# EAGLE board Mk4 Final a Panel score (EAGLE 9.0.1), part 3 of 24 (continued)
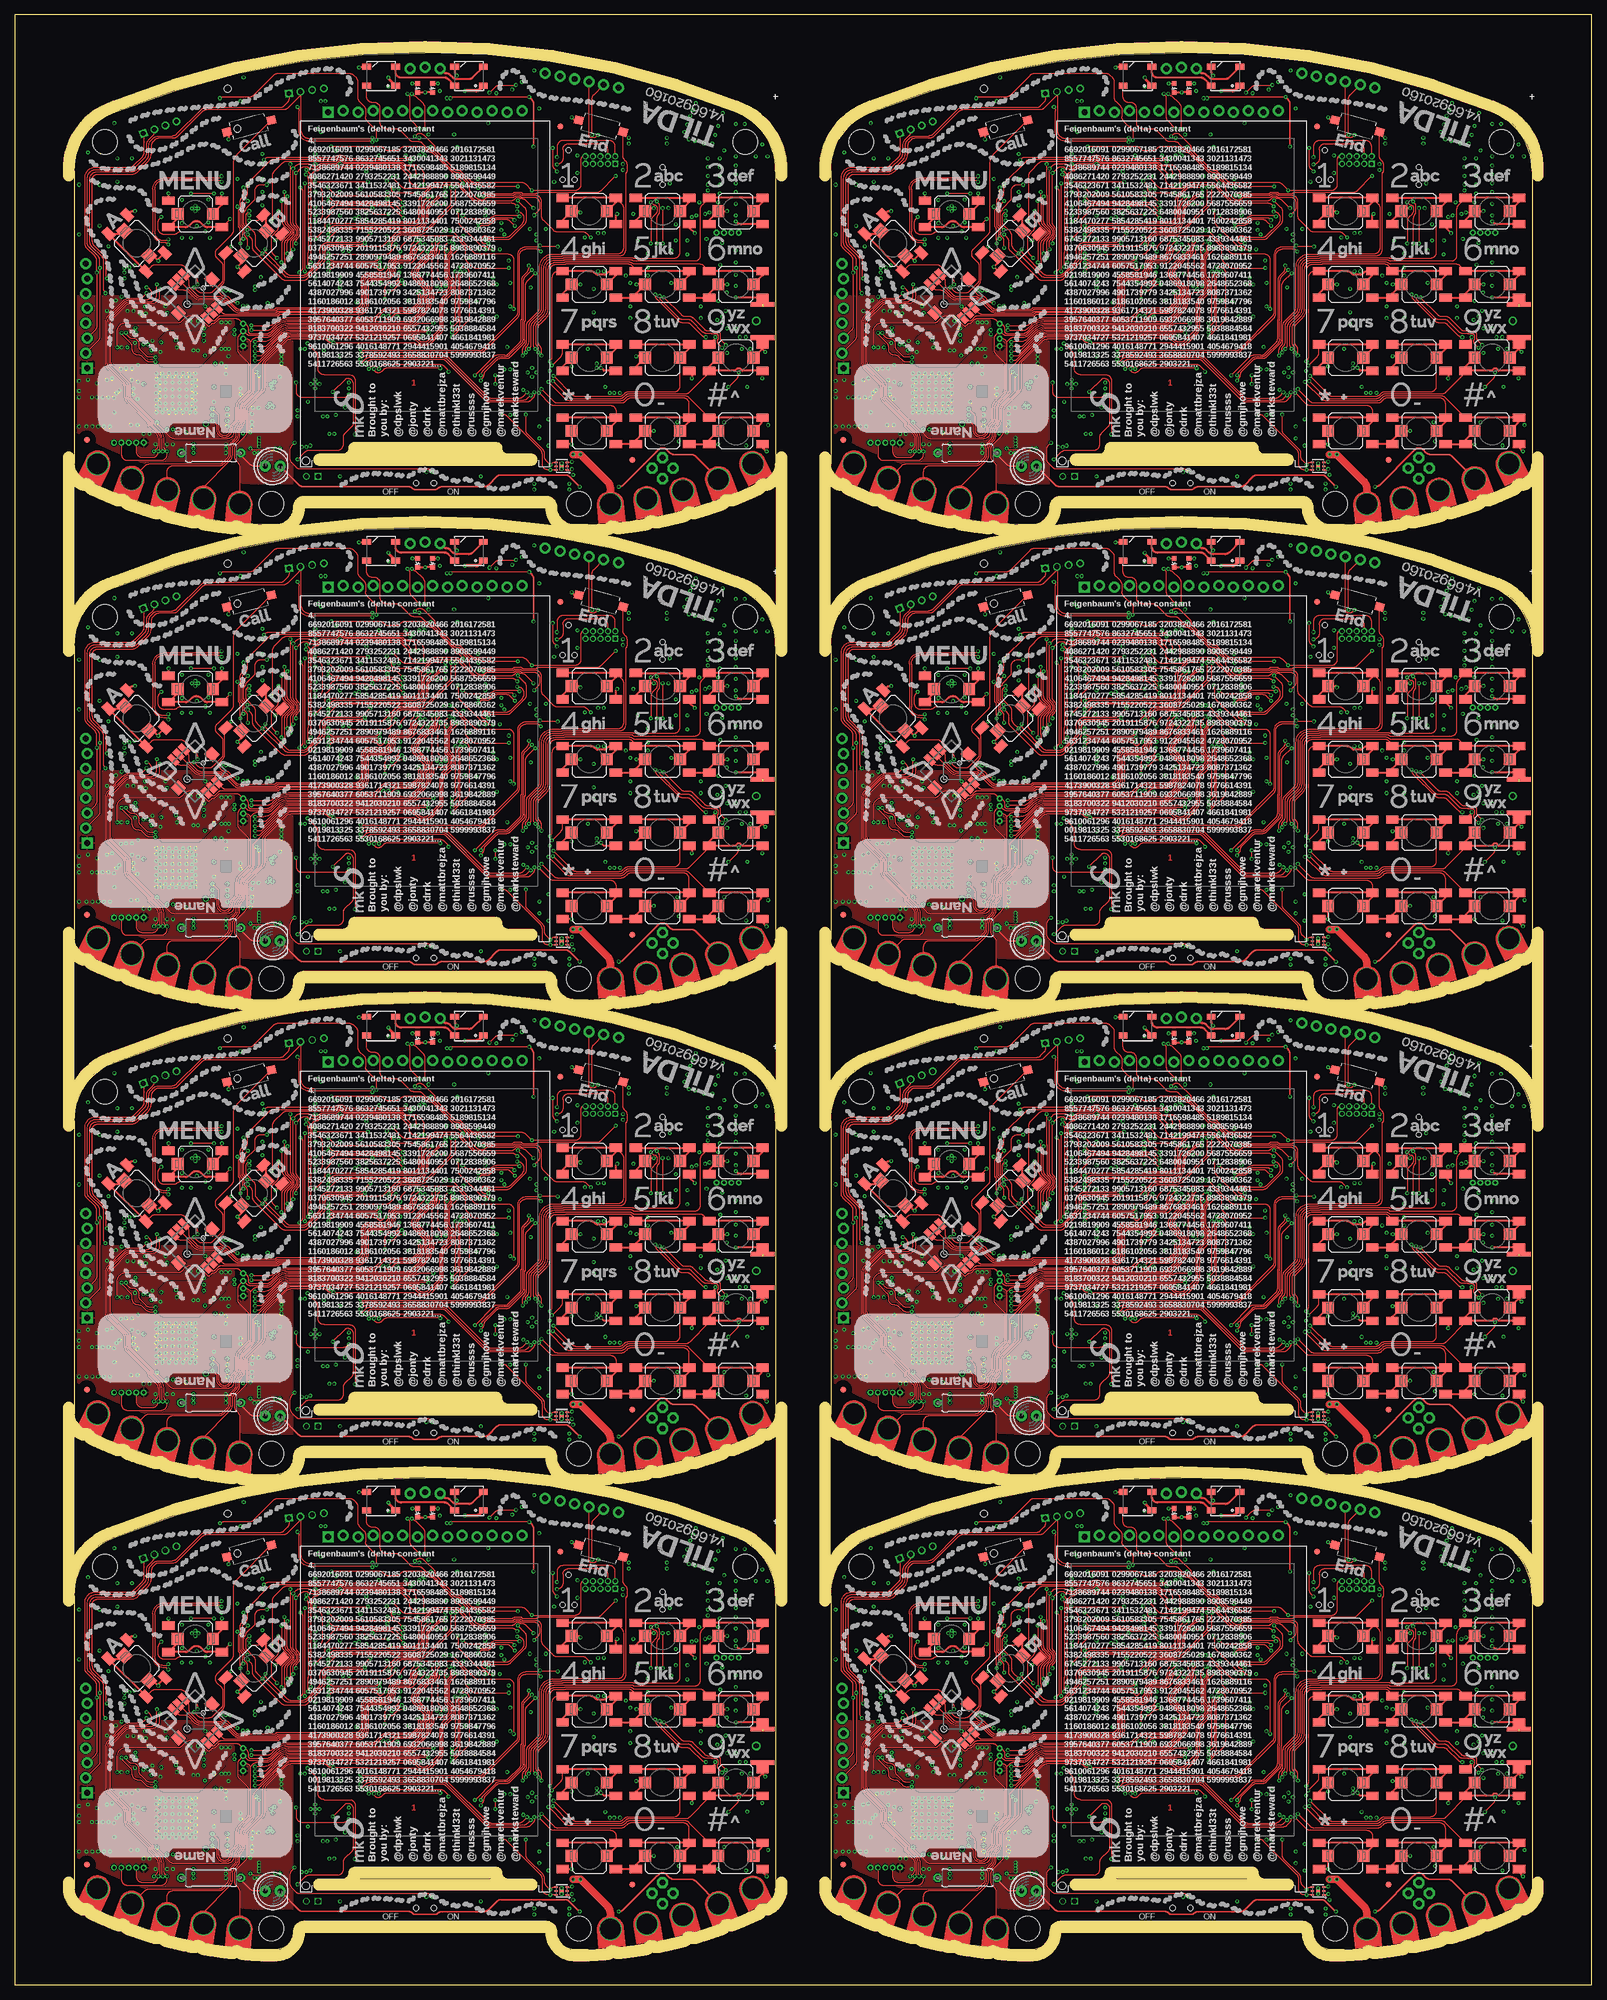
[diagram p0: board, top side]
## Placement (x,y rotation side) (continued)
R350  0402/1K/5%  [R0402-SMALLER]  100,207.25 180 bottom
R351  0402/1K/5%  [R0402-SMALLER]  100,206.25 180 bottom
R352  0402/1K/5%  [R0402-SMALLER]  100,205.25 180 bottom
R353  0402/1K/5%  [R0402-SMALLER]  100,201.25 180 bottom
R354  0402/1K/5%  [R0402-SMALLER]  100,203.25 180 bottom
R355  0402/5K6/5%  [R0402-SMALLER]  100,204.25 0 bottom
R356  0402/5K6/5%  [R0402-SMALLER]  100,208.25 0 bottom
R357  0402/1K/5%  [R0402-SMALLER]  100,200.25 180 bottom
R358  0402/1K/5%  [R0402-SMALLER]  100,199.25 180 bottom
R359  0402/10K/5%  [R0402-SMALLER]  90.75,215 90 bottom
R360  0402/10K/5%  [R0402-SMALLER]  91.75,215 90 bottom
R361  0402/10K/5%  [R0402-SMALLER]  92.25,217.5 180 bottom
R362  0402/22K/5%  [R0402-SMALLER]  90.25,217.5 0 bottom
R363  0402/22K/5%  [R0402-SMALLER]  90.25,216.5 0 bottom
R364  0402/15K/5%  [R0402-SMALLER]  90.5,226.75 180 bottom
R365  0402/8K2/5%  [R0402-SMALLER]  88.5,226.75 0 bottom
R366  0402/10K/5%  [R0402-SMALLER]  95.5,222.5 270 bottom
R367  0402/10K/5%  [R0402-SMALLER]  97.75,217.75 180 bottom
R368  0402/10K/5%  [R0402-SMALLER]  104.25,227.5 180 bottom
R369  0402/150K/1%  [R0402-SMALLER]  31.95,227.45 0 bottom
R370  0402/150K/1%  [R0402-SMALLER]  31.95,226.45 0 bottom
R371  0402/10K/5%  [R0402-SMALLER]  114,181.75 90 bottom
R372  0402/732K/5%  [R0402-SMALLER]  38.95,182.35 270 bottom
R373  0402/162K/5%  [R0402-SMALLER]  39.95,182.35 90 bottom
R374  0402/10K/5%  [R0402-SMALLER]  22,184.75 270 bottom
R375  0402/100K/5%  [R0402-SMALLER]  19.25,203.2 90 bottom
R376  0402/100K/5%  [R0402-SMALLER]  20.25,203.2 90 bottom
R377  0402/100K/5%  [R0402-SMALLER]  23,184.75 270 bottom
R378  0402/10K/5%  [R0402-SMALLER]  18.5,208.25 90 bottom
R379  0402/100K/5%  [R0402-SMALLER]  21,205.25 180 bottom
R380  0402/100K/5%  [R0402-SMALLER]  35,187.75 180 bottom
R381  0402/100K/5%  [R0402-SMALLER]  35,185.75 180 bottom
R382  0402/100K/5%  [R0402-SMALLER]  36.75,194.5 90 bottom
R383  0402/100K/5%  [R0402-SMALLER]  28.5,184.25 270 bottom
R384  0402/100K/5%  [R0402-SMALLER]  24,183 270 bottom
R385  0402/100K/5%  [R0402-SMALLER]  19.25,197 90 bottom
R386  0402/10K/5%  [R0402-SMALLER]  84,195.75 90 bottom
R387  0402/150K/1%  [R0402-SMALLER]  31.95,228.4 0 bottom
R388  0402/150K/1%  [R0402-SMALLER]  32,225.5 0 bottom
R389  0402/10K/5%  [R0402-SMALLER]  28.75,224.5 0 bottom
R390  0402/0R/5%  [R0402-SMALLER]  31,229.5 180 bottom
R391  0402/12R/5%  [R0402-SMALLER]  211.5,207 270 bottom
R392  0402/12R/5%  [R0402-SMALLER]  210.5,207 270 bottom
R393  0402/12R/5%  [R0402-SMALLER]  209.5,207 270 bottom
R394  0402/12R/5%  [R0402-SMALLER]  208.5,207 270 bottom
R395  0402/2K/5%  [R0402-SMALLER]  200.27,242.5 270 bottom
R396  0402/2K/5%  [R0402-SMALLER]  197.73,242.5 270 bottom
R397  0402/1K/5%  [R0402-SMALLER]  183.5,235.5 270 bottom
R398  0402/1K/5%  [R0402-SMALLER]  184.5,235.5 270 bottom
R399  0402/4K87/5%  [R0402-SMALLER]  189.25,225.25 0 bottom
R400  0402/10K/5%  [R0402-SMALLER]  197.5,233.25 180 bottom
R401  0402/1M/5%  [R0402-SMALLER]  189.75,227.75 90 bottom
R402  0402/2K/5%  [R0402-SMALLER]  202.75,230.95 90 bottom
R403  0402/1M/5%  [R0402-SMALLER]  216.75,246 270 bottom
R404  0402/100R/5%  [R0402-SMALLER]  217.25,242.5 180 bottom
R405  0402/10K/5%  [R0402-SMALLER]  206.5,212.25 270 bottom
R406  0402/10K/5%  [R0402-SMALLER]  217,209.75 90 bottom
R407  [0309/10]  162.5,180.25 180 top
R408  0402/10K/5%  [R0402-SMALLER]  176.75,183.25 90 bottom
R409  0402/10K/5%  [R0402-SMALLER]  184.75,191.25 0 bottom
R410  0402/10K/5%  [R0402-SMALLER]  184.75,190.25 180 bottom
R411  0402/2K/5%  [R0402-SMALLER]  184.75,192.25 180 bottom
R412  0402/10K/5%  [R0402-SMALLER]  180.25,198.5 180 bottom
R413  0402/10K/5%  [R0402-SMALLER]  180.25,197.5 180 bottom
R414  0402/10K/5%  [R0402-SMALLER]  180.75,196 90 bottom
R415  0402/4K7/5%  [R0402-SMALLER]  185.05,216.25 90 bottom
R416  0402/4K7/5%  [R0402-SMALLER]  186.05,216.25 90 bottom
R417  0402/4K7/5%  [R0402-SMALLER]  211.25,217 180 bottom
R418  0402/4K7/5%  [R0402-SMALLER]  211.25,215.75 180 bottom
R419  0402/100K/5%  [R0402-SMALLER]  164,184.75 180 bottom
R420  0402/51R/5%  [R0402-SMALLER]  236.5,220.5 90 bottom
R421  0402/51R/5%  [R0402-SMALLER]  238.5,220.5 90 bottom
R422  0402/51R/5%  [R0402-SMALLER]  239.5,220.5 90 bottom
R423  0402/4K7/5%  [R0402-SMALLER]  245.5,198.75 180 bottom
R424  0402/100K/5%  [R0402-SMALLER]  227.5,197.5 90 bottom
R425  0402/1K/5%  [R0402-SMALLER]  229,209.25 180 bottom
R426  0402/5K6/5%  [R0402-SMALLER]  229,202.25 0 bottom
R427  0402/1K/5%  [R0402-SMALLER]  229,210.25 180 bottom
R428  0402/1K/5%  [R0402-SMALLER]  229,207.25 180 bottom
R429  0402/1K/5%  [R0402-SMALLER]  229,206.25 180 bottom
R430  0402/1K/5%  [R0402-SMALLER]  229,205.25 180 bottom
R431  0402/1K/5%  [R0402-SMALLER]  229,201.25 180 bottom
R432  0402/1K/5%  [R0402-SMALLER]  229,203.25 180 bottom
R433  0402/5K6/5%  [R0402-SMALLER]  229,204.25 0 bottom
R434  0402/5K6/5%  [R0402-SMALLER]  229,208.25 0 bottom
R435  0402/1K/5%  [R0402-SMALLER]  229,200.25 180 bottom
R436  0402/1K/5%  [R0402-SMALLER]  229,199.25 180 bottom
R437  0402/10K/5%  [R0402-SMALLER]  219.75,215 90 bottom
R438  0402/10K/5%  [R0402-SMALLER]  220.75,215 90 bottom
R439  0402/10K/5%  [R0402-SMALLER]  221.25,217.5 180 bottom
R440  0402/22K/5%  [R0402-SMALLER]  219.25,217.5 0 bottom
R441  0402/22K/5%  [R0402-SMALLER]  219.25,216.5 0 bottom
R442  0402/15K/5%  [R0402-SMALLER]  219.5,226.75 180 bottom
R443  0402/8K2/5%  [R0402-SMALLER]  217.5,226.75 0 bottom
R444  0402/10K/5%  [R0402-SMALLER]  224.5,222.5 270 bottom
R445  0402/10K/5%  [R0402-SMALLER]  226.75,217.75 180 bottom
R446  0402/10K/5%  [R0402-SMALLER]  233.25,227.5 180 bottom
R447  0402/150K/1%  [R0402-SMALLER]  160.95,227.45 0 bottom
R448  0402/150K/1%  [R0402-SMALLER]  160.95,226.45 0 bottom
R449  0402/10K/5%  [R0402-SMALLER]  243,181.75 90 bottom
R450  0402/732K/5%  [R0402-SMALLER]  167.95,182.35 270 bottom
R451  0402/162K/5%  [R0402-SMALLER]  168.95,182.35 90 bottom
R452  0402/10K/5%  [R0402-SMALLER]  151,184.75 270 bottom
R453  0402/100K/5%  [R0402-SMALLER]  148.25,203.2 90 bottom
R454  0402/100K/5%  [R0402-SMALLER]  149.25,203.2 90 bottom
R455  0402/100K/5%  [R0402-SMALLER]  152,184.75 270 bottom
R456  0402/10K/5%  [R0402-SMALLER]  147.5,208.25 90 bottom
R457  0402/100K/5%  [R0402-SMALLER]  150,205.25 180 bottom
R458  0402/100K/5%  [R0402-SMALLER]  164,187.75 180 bottom
R459  0402/100K/5%  [R0402-SMALLER]  164,185.75 180 bottom
R460  0402/100K/5%  [R0402-SMALLER]  165.75,194.5 90 bottom
R461  0402/100K/5%  [R0402-SMALLER]  157.5,184.25 270 bottom
R462  0402/100K/5%  [R0402-SMALLER]  153,183 270 bottom
R463  0402/100K/5%  [R0402-SMALLER]  148.25,197 90 bottom
R464  0402/10K/5%  [R0402-SMALLER]  213,195.75 90 bottom
R465  0402/150K/1%  [R0402-SMALLER]  160.95,228.4 0 bottom
R466  0402/150K/1%  [R0402-SMALLER]  161,225.5 0 bottom
R467  0402/10K/5%  [R0402-SMALLER]  157.75,224.5 0 bottom
R468  0402/0R/5%  [R0402-SMALLER]  160,229.5 180 bottom
R469  0402/12R/5%  [R0402-SMALLER]  82.5,288 270 bottom
R470  0402/12R/5%  [R0402-SMALLER]  81.5,288 270 bottom
R471  0402/12R/5%  [R0402-SMALLER]  80.5,288 270 bottom
R472  0402/12R/5%  [R0402-SMALLER]  79.5,288 270 bottom
R473  0402/2K/5%  [R0402-SMALLER]  71.27,323.5 270 bottom
R474  0402/2K/5%  [R0402-SMALLER]  68.73,323.5 270 bottom
R475  0402/1K/5%  [R0402-SMALLER]  54.5,316.5 270 bottom
R476  0402/1K/5%  [R0402-SMALLER]  55.5,316.5 270 bottom
R477  0402/4K87/5%  [R0402-SMALLER]  60.25,306.25 0 bottom
R478  0402/10K/5%  [R0402-SMALLER]  68.5,314.25 180 bottom
R479  0402/1M/5%  [R0402-SMALLER]  60.75,308.75 90 bottom
R480  0402/2K/5%  [R0402-SMALLER]  73.75,311.95 90 bottom
R481  0402/1M/5%  [R0402-SMALLER]  87.75,327 270 bottom
R482  0402/100R/5%  [R0402-SMALLER]  88.25,323.5 180 bottom
R483  0402/10K/5%  [R0402-SMALLER]  77.5,293.25 270 bottom
R484  0402/10K/5%  [R0402-SMALLER]  88,290.75 90 bottom
R485  [0309/10]  33.5,261.25 180 top
R486  0402/10K/5%  [R0402-SMALLER]  47.75,264.25 90 bottom
R487  0402/10K/5%  [R0402-SMALLER]  55.75,272.25 0 bottom
R488  0402/10K/5%  [R0402-SMALLER]  55.75,271.25 180 bottom
R489  0402/2K/5%  [R0402-SMALLER]  55.75,273.25 180 bottom
R490  0402/10K/5%  [R0402-SMALLER]  51.25,279.5 180 bottom
R491  0402/10K/5%  [R0402-SMALLER]  51.25,278.5 180 bottom
R492  0402/10K/5%  [R0402-SMALLER]  51.75,277 90 bottom
R493  0402/4K7/5%  [R0402-SMALLER]  56.05,297.25 90 bottom
R494  0402/4K7/5%  [R0402-SMALLER]  57.05,297.25 90 bottom
R495  0402/4K7/5%  [R0402-SMALLER]  82.25,298 180 bottom
R496  0402/4K7/5%  [R0402-SMALLER]  82.25,296.75 180 bottom
R497  0402/100K/5%  [R0402-SMALLER]  35,265.75 180 bottom
R498  0402/51R/5%  [R0402-SMALLER]  107.5,301.5 90 bottom
R499  0402/51R/5%  [R0402-SMALLER]  109.5,301.5 90 bottom
R500  0402/51R/5%  [R0402-SMALLER]  110.5,301.5 90 bottom
R501  0402/4K7/5%  [R0402-SMALLER]  116.5,279.75 180 bottom
R502  0402/100K/5%  [R0402-SMALLER]  98.5,278.5 90 bottom
R503  0402/1K/5%  [R0402-SMALLER]  100,290.25 180 bottom
R504  0402/5K6/5%  [R0402-SMALLER]  100,283.25 0 bottom
R505  0402/1K/5%  [R0402-SMALLER]  100,291.25 180 bottom
R506  0402/1K/5%  [R0402-SMALLER]  100,288.25 180 bottom
R507  0402/1K/5%  [R0402-SMALLER]  100,287.25 180 bottom
R508  0402/1K/5%  [R0402-SMALLER]  100,286.25 180 bottom
R509  0402/1K/5%  [R0402-SMALLER]  100,282.25 180 bottom
R510  0402/1K/5%  [R0402-SMALLER]  100,284.25 180 bottom
R511  0402/5K6/5%  [R0402-SMALLER]  100,285.25 0 bottom
R512  0402/5K6/5%  [R0402-SMALLER]  100,289.25 0 bottom
R513  0402/1K/5%  [R0402-SMALLER]  100,281.25 180 bottom
R514  0402/1K/5%  [R0402-SMALLER]  100,280.25 180 bottom
R515  0402/10K/5%  [R0402-SMALLER]  90.75,296 90 bottom
R516  0402/10K/5%  [R0402-SMALLER]  91.75,296 90 bottom
R517  0402/10K/5%  [R0402-SMALLER]  92.25,298.5 180 bottom
R518  0402/22K/5%  [R0402-SMALLER]  90.25,298.5 0 bottom
R519  0402/22K/5%  [R0402-SMALLER]  90.25,297.5 0 bottom
R520  0402/15K/5%  [R0402-SMALLER]  90.5,307.75 180 bottom
R521  0402/8K2/5%  [R0402-SMALLER]  88.5,307.75 0 bottom
R522  0402/10K/5%  [R0402-SMALLER]  95.5,303.5 270 bottom
R523  0402/10K/5%  [R0402-SMALLER]  97.75,298.75 180 bottom
R524  0402/10K/5%  [R0402-SMALLER]  104.25,308.5 180 bottom
R525  0402/150K/1%  [R0402-SMALLER]  31.95,308.45 0 bottom
R526  0402/150K/1%  [R0402-SMALLER]  31.95,307.45 0 bottom
R527  0402/10K/5%  [R0402-SMALLER]  114,262.75 90 bottom
R528  0402/732K/5%  [R0402-SMALLER]  38.95,263.35 270 bottom
R529  0402/162K/5%  [R0402-SMALLER]  39.95,263.35 90 bottom
R530  0402/10K/5%  [R0402-SMALLER]  22,265.75 270 bottom
R531  0402/100K/5%  [R0402-SMALLER]  19.25,284.2 90 bottom
R532  0402/100K/5%  [R0402-SMALLER]  20.25,284.2 90 bottom
R533  0402/100K/5%  [R0402-SMALLER]  23,265.75 270 bottom
R534  0402/10K/5%  [R0402-SMALLER]  18.5,289.25 90 bottom
R535  0402/100K/5%  [R0402-SMALLER]  21,286.25 180 bottom
R536  0402/100K/5%  [R0402-SMALLER]  35,268.75 180 bottom
R537  0402/100K/5%  [R0402-SMALLER]  35,266.75 180 bottom
R538  0402/100K/5%  [R0402-SMALLER]  36.75,275.5 90 bottom
R539  0402/100K/5%  [R0402-SMALLER]  28.5,265.25 270 bottom
R540  0402/100K/5%  [R0402-SMALLER]  24,264 270 bottom
R541  0402/100K/5%  [R0402-SMALLER]  19.25,278 90 bottom
R542  0402/10K/5%  [R0402-SMALLER]  84,276.75 90 bottom
R543  0402/150K/1%  [R0402-SMALLER]  31.95,309.4 0 bottom
R544  0402/150K/1%  [R0402-SMALLER]  32,306.5 0 bottom
R545  0402/10K/5%  [R0402-SMALLER]  28.75,305.5 0 bottom
R546  0402/0R/5%  [R0402-SMALLER]  31,310.5 180 bottom
R547  0402/12R/5%  [R0402-SMALLER]  211.5,288 270 bottom
R548  0402/12R/5%  [R0402-SMALLER]  210.5,288 270 bottom
R549  0402/12R/5%  [R0402-SMALLER]  209.5,288 270 bottom
R550  0402/12R/5%  [R0402-SMALLER]  208.5,288 270 bottom
R551  0402/2K/5%  [R0402-SMALLER]  200.27,323.5 270 bottom
R552  0402/2K/5%  [R0402-SMALLER]  197.73,323.5 270 bottom
R553  0402/1K/5%  [R0402-SMALLER]  183.5,316.5 270 bottom
R554  0402/1K/5%  [R0402-SMALLER]  184.5,316.5 270 bottom
R555  0402/4K87/5%  [R0402-SMALLER]  189.25,306.25 0 bottom
R556  0402/10K/5%  [R0402-SMALLER]  197.5,314.25 180 bottom
R557  0402/1M/5%  [R0402-SMALLER]  189.75,308.75 90 bottom
R558  0402/2K/5%  [R0402-SMALLER]  202.75,311.95 90 bottom
R559  0402/1M/5%  [R0402-SMALLER]  216.75,327 270 bottom
R560  0402/100R/5%  [R0402-SMALLER]  217.25,323.5 180 bottom
R561  0402/10K/5%  [R0402-SMALLER]  206.5,293.25 270 bottom
R562  0402/10K/5%  [R0402-SMALLER]  217,290.75 90 bottom
R563  [0309/10]  162.5,261.25 180 top
R564  0402/10K/5%  [R0402-SMALLER]  176.75,264.25 90 bottom
R565  0402/10K/5%  [R0402-SMALLER]  184.75,272.25 0 bottom
R566  0402/10K/5%  [R0402-SMALLER]  184.75,271.25 180 bottom
R567  0402/2K/5%  [R0402-SMALLER]  184.75,273.25 180 bottom
R568  0402/10K/5%  [R0402-SMALLER]  180.25,279.5 180 bottom
R569  0402/10K/5%  [R0402-SMALLER]  180.25,278.5 180 bottom
R570  0402/10K/5%  [R0402-SMALLER]  180.75,277 90 bottom
R571  0402/4K7/5%  [R0402-SMALLER]  185.05,297.25 90 bottom
R572  0402/4K7/5%  [R0402-SMALLER]  186.05,297.25 90 bottom
R573  0402/4K7/5%  [R0402-SMALLER]  211.25,298 180 bottom
R574  0402/4K7/5%  [R0402-SMALLER]  211.25,296.75 180 bottom
R575  0402/100K/5%  [R0402-SMALLER]  164,265.75 180 bottom
R576  0402/51R/5%  [R0402-SMALLER]  236.5,301.5 90 bottom
R577  0402/51R/5%  [R0402-SMALLER]  238.5,301.5 90 bottom
R578  0402/51R/5%  [R0402-SMALLER]  239.5,301.5 90 bottom
R579  0402/4K7/5%  [R0402-SMALLER]  245.5,279.75 180 bottom
R580  0402/100K/5%  [R0402-SMALLER]  227.5,278.5 90 bottom
R581  0402/1K/5%  [R0402-SMALLER]  229,290.25 180 bottom
R582  0402/5K6/5%  [R0402-SMALLER]  229,283.25 0 bottom
R583  0402/1K/5%  [R0402-SMALLER]  229,291.25 180 bottom
R584  0402/1K/5%  [R0402-SMALLER]  229,288.25 180 bottom
R585  0402/1K/5%  [R0402-SMALLER]  229,287.25 180 bottom
R586  0402/1K/5%  [R0402-SMALLER]  229,286.25 180 bottom
R587  0402/1K/5%  [R0402-SMALLER]  229,282.25 180 bottom
R588  0402/1K/5%  [R0402-SMALLER]  229,284.25 180 bottom
R589  0402/5K6/5%  [R0402-SMALLER]  229,285.25 0 bottom
R590  0402/5K6/5%  [R0402-SMALLER]  229,289.25 0 bottom
R591  0402/1K/5%  [R0402-SMALLER]  229,281.25 180 bottom
R592  0402/1K/5%  [R0402-SMALLER]  229,280.25 180 bottom
R593  0402/10K/5%  [R0402-SMALLER]  219.75,296 90 bottom
R594  0402/10K/5%  [R0402-SMALLER]  220.75,296 90 bottom
R595  0402/10K/5%  [R0402-SMALLER]  221.25,298.5 180 bottom
R596  0402/22K/5%  [R0402-SMALLER]  219.25,298.5 0 bottom
R597  0402/22K/5%  [R0402-SMALLER]  219.25,297.5 0 bottom
R598  0402/15K/5%  [R0402-SMALLER]  219.5,307.75 180 bottom
R599  0402/8K2/5%  [R0402-SMALLER]  217.5,307.75 0 bottom
R600  0402/10K/5%  [R0402-SMALLER]  224.5,303.5 270 bottom
R601  0402/10K/5%  [R0402-SMALLER]  226.75,298.75 180 bottom
R602  0402/10K/5%  [R0402-SMALLER]  233.25,308.5 180 bottom
R603  0402/150K/1%  [R0402-SMALLER]  160.95,308.45 0 bottom
R604  0402/150K/1%  [R0402-SMALLER]  160.95,307.45 0 bottom
R605  0402/10K/5%  [R0402-SMALLER]  243,262.75 90 bottom
R606  0402/732K/5%  [R0402-SMALLER]  167.95,263.35 270 bottom
R607  0402/162K/5%  [R0402-SMALLER]  168.95,263.35 90 bottom
R608  0402/10K/5%  [R0402-SMALLER]  151,265.75 270 bottom
R609  0402/100K/5%  [R0402-SMALLER]  148.25,284.2 90 bottom
R610  0402/100K/5%  [R0402-SMALLER]  149.25,284.2 90 bottom
R611  0402/100K/5%  [R0402-SMALLER]  152,265.75 270 bottom
R612  0402/10K/5%  [R0402-SMALLER]  147.5,289.25 90 bottom
R613  0402/100K/5%  [R0402-SMALLER]  150,286.25 180 bottom
R614  0402/100K/5%  [R0402-SMALLER]  164,268.75 180 bottom
R615  0402/100K/5%  [R0402-SMALLER]  164,266.75 180 bottom
R616  0402/100K/5%  [R0402-SMALLER]  165.75,275.5 90 bottom
R617  0402/100K/5%  [R0402-SMALLER]  157.5,265.25 270 bottom
R618  0402/100K/5%  [R0402-SMALLER]  153,264 270 bottom
R619  0402/100K/5%  [R0402-SMALLER]  148.25,278 90 bottom
R620  0402/10K/5%  [R0402-SMALLER]  213,276.75 90 bottom
R621  0402/150K/1%  [R0402-SMALLER]  160.95,309.4 0 bottom
R622  0402/150K/1%  [R0402-SMALLER]  161,306.5 0 bottom
R623  0402/10K/5%  [R0402-SMALLER]  157.75,305.5 0 bottom
R624  0402/0R/5%  [R0402-SMALLER]  160,310.5 180 bottom
S1  SKPMAPE010  [SKPMAPE010-COMBINED]  98,59.5 0 top
S2  SKPMAPE010  [SKPMAPE010-COMBINED]  110.5,59.5 0 top
S3  SKPMAPE010  [SKPMAPE010-COMBINED]  123,59.5 0 top
S4  SKPMAPE010  [SKPMAPE010-COMBINED]  98,47 0 top
S5  SKPMAPE010  [SKPMAPE010-COMBINED]  110.5,47 0 top
S6  SKPMAPE010  [SKPMAPE010-COMBINED]  123,47 0 top
S7  SKPMAPE010  [SKPMAPE010-COMBINED]  98,34.5 0 top
S8  SKPMAPE010  [SKPMAPE010-COMBINED]  110.5,34.5 0 top
S9  SKPMAPE010  [SKPMAPE010-COMBINED]  123,34.5 180 top
S10  SKPMAPE010  [SKPMAPE010-COMBINED]  98,22 0 top
S11  SKPMAPE010  [SKPMAPE010-COMBINED]  110.5,22 0 top
S12  SKPMAPE010  [SKPMAPE010-COMBINED]  123,22 0 top
S13  SKPMAPE010  [SKPMAPE010-COMBINED]  20.8,54 135 top
S14  SKPMAPE010  [SKPMAPE010-COMBINED]  30.8,59 180 top
S15  SKPMAPE010  [SKPMAPE010-COMBINED]  40.8,54 45 top
S16  3X6X2.5  [TACTILE_SWITCH_SMD_3X6X2.5H]  40,74 15 top
S17  3X6X2.5  [TACTILE_SWITCH_SMD_3X6X2.5H]  100,74 345 top
S18  CUS-12TB  [SWITCH-SPST-SMD-A]  70,13.1 180 bottom
S19  3X6X2.5  [TACTILE_SWITCH_SMD_3X6X2.5H]  82,14.25 180 bottom
S20  3X6X2.5  [TACTILE_SWITCH_SMD_3X6X2.5H]  58,14.25 180 bottom
S21  SKPMAPE010  [SKPMAPE010-COMBINED]  227,59.5 0 top
S22  AYZ0202AGRLC  [AYZ-JS-COMBINED]  110.5,65.5 90 bottom
S23  SKPMAPE010  [SKPMAPE010-COMBINED]  227,47 0 top
S24  SKPMAPE010  [SKPMAPE010-COMBINED]  227,34.5 0 top
S25  SKPMAPE010  [SKPMAPE010-COMBINED]  227,22 0 top
S26  SKPMAPE010  [SKPMAPE010-COMBINED]  239.5,59.5 0 top
S27  SKPMAPE010  [SKPMAPE010-COMBINED]  239.5,47 0 top
S28  SKPMAPE010  [SKPMAPE010-COMBINED]  239.5,34.5 0 top
S29  SKPMAPE010  [SKPMAPE010-COMBINED]  239.5,22 0 top
S30  SKPMAPE010  [SKPMAPE010-COMBINED]  252,59.5 0 top
S31  SKPMAPE010  [SKPMAPE010-COMBINED]  252,47 0 top
S32  SKPMAPE010  [SKPMAPE010-COMBINED]  252,34.5 180 top
S33  SKPMAPE010  [SKPMAPE010-COMBINED]  252,22 0 top
S34  SKPMAPE010  [SKPMAPE010-COMBINED]  169.8,54 45 top
S35  SKPMAPE010  [SKPMAPE010-COMBINED]  149.8,54 135 top
S36  SKPMAPE010  [SKPMAPE010-COMBINED]  159.8,59 180 top
S37  3X6X2.5  [TACTILE_SWITCH_SMD_3X6X2.5H]  169,74 15 top
S38  3X6X2.5  [TACTILE_SWITCH_SMD_3X6X2.5H]  229,74 345 top
S39  CUS-12TB  [SWITCH-SPST-SMD-A]  199,13.1 180 bottom
S40  3X6X2.5  [TACTILE_SWITCH_SMD_3X6X2.5H]  211,14.25 180 bottom
S41  3X6X2.5  [TACTILE_SWITCH_SMD_3X6X2.5H]  187,14.25 180 bottom
S42  AYZ0202AGRLC  [AYZ-JS-COMBINED]  239.5,65.5 90 bottom
S43  SKPMAPE010  [SKPMAPE010-COMBINED]  98,140.5 0 top
S44  SKPMAPE010  [SKPMAPE010-COMBINED]  98,128 0 top
S45  SKPMAPE010  [SKPMAPE010-COMBINED]  98,115.5 0 top
S46  SKPMAPE010  [SKPMAPE010-COMBINED]  98,103 0 top
S47  SKPMAPE010  [SKPMAPE010-COMBINED]  110.5,140.5 0 top
S48  SKPMAPE010  [SKPMAPE010-COMBINED]  110.5,128 0 top
S49  SKPMAPE010  [SKPMAPE010-COMBINED]  110.5,115.5 0 top
S50  SKPMAPE010  [SKPMAPE010-COMBINED]  110.5,103 0 top
S51  SKPMAPE010  [SKPMAPE010-COMBINED]  123,140.5 0 top
S52  SKPMAPE010  [SKPMAPE010-COMBINED]  123,128 0 top
S53  SKPMAPE010  [SKPMAPE010-COMBINED]  123,115.5 180 top
S54  SKPMAPE010  [SKPMAPE010-COMBINED]  123,103 0 top
S55  SKPMAPE010  [SKPMAPE010-COMBINED]  40.8,135 45 top
S56  SKPMAPE010  [SKPMAPE010-COMBINED]  20.8,135 135 top
S57  SKPMAPE010  [SKPMAPE010-COMBINED]  30.8,140 180 top
S58  3X6X2.5  [TACTILE_SWITCH_SMD_3X6X2.5H]  40,155 15 top
S59  3X6X2.5  [TACTILE_SWITCH_SMD_3X6X2.5H]  100,155 345 top
S60  CUS-12TB  [SWITCH-SPST-SMD-A]  70,94.1 180 bottom
S61  3X6X2.5  [TACTILE_SWITCH_SMD_3X6X2.5H]  82,95.25 180 bottom
S62  3X6X2.5  [TACTILE_SWITCH_SMD_3X6X2.5H]  58,95.25 180 bottom
S63  AYZ0202AGRLC  [AYZ-JS-COMBINED]  110.5,146.5 90 bottom
S64  SKPMAPE010  [SKPMAPE010-COMBINED]  227,140.5 0 top
S65  SKPMAPE010  [SKPMAPE010-COMBINED]  227,128 0 top
S66  SKPMAPE010  [SKPMAPE010-COMBINED]  227,115.5 0 top
S67  SKPMAPE010  [SKPMAPE010-COMBINED]  227,103 0 top
S68  SKPMAPE010  [SKPMAPE010-COMBINED]  239.5,140.5 0 top
S69  SKPMAPE010  [SKPMAPE010-COMBINED]  239.5,128 0 top
S70  SKPMAPE010  [SKPMAPE010-COMBINED]  239.5,115.5 0 top
S71  SKPMAPE010  [SKPMAPE010-COMBINED]  239.5,103 0 top
S72  SKPMAPE010  [SKPMAPE010-COMBINED]  252,140.5 0 top
S73  SKPMAPE010  [SKPMAPE010-COMBINED]  252,128 0 top
S74  SKPMAPE010  [SKPMAPE010-COMBINED]  252,115.5 180 top
S75  SKPMAPE010  [SKPMAPE010-COMBINED]  252,103 0 top
S76  SKPMAPE010  [SKPMAPE010-COMBINED]  169.8,135 45 top
S77  SKPMAPE010  [SKPMAPE010-COMBINED]  149.8,135 135 top
S78  SKPMAPE010  [SKPMAPE010-COMBINED]  159.8,140 180 top
S79  3X6X2.5  [TACTILE_SWITCH_SMD_3X6X2.5H]  169,155 15 top
S80  3X6X2.5  [TACTILE_SWITCH_SMD_3X6X2.5H]  229,155 345 top
S81  CUS-12TB  [SWITCH-SPST-SMD-A]  199,94.1 180 bottom
S82  3X6X2.5  [TACTILE_SWITCH_SMD_3X6X2.5H]  211,95.25 180 bottom
S83  3X6X2.5  [TACTILE_SWITCH_SMD_3X6X2.5H]  187,95.25 180 bottom
S84  AYZ0202AGRLC  [AYZ-JS-COMBINED]  239.5,146.5 90 bottom
S85  SKPMAPE010  [SKPMAPE010-COMBINED]  98,221.5 0 top
S86  SKPMAPE010  [SKPMAPE010-COMBINED]  98,209 0 top
S87  SKPMAPE010  [SKPMAPE010-COMBINED]  98,196.5 0 top
S88  SKPMAPE010  [SKPMAPE010-COMBINED]  98,184 0 top
S89  SKPMAPE010  [SKPMAPE010-COMBINED]  110.5,221.5 0 top
S90  SKPMAPE010  [SKPMAPE010-COMBINED]  110.5,209 0 top
S91  SKPMAPE010  [SKPMAPE010-COMBINED]  110.5,196.5 0 top
S92  SKPMAPE010  [SKPMAPE010-COMBINED]  110.5,184 0 top
S93  SKPMAPE010  [SKPMAPE010-COMBINED]  123,221.5 0 top
S94  SKPMAPE010  [SKPMAPE010-COMBINED]  123,209 0 top
S95  SKPMAPE010  [SKPMAPE010-COMBINED]  123,196.5 180 top
S96  SKPMAPE010  [SKPMAPE010-COMBINED]  123,184 0 top
S97  SKPMAPE010  [SKPMAPE010-COMBINED]  40.8,216 45 top
S98  SKPMAPE010  [SKPMAPE010-COMBINED]  20.8,216 135 top
S99  SKPMAPE010  [SKPMAPE010-COMBINED]  30.8,221 180 top
S100  3X6X2.5  [TACTILE_SWITCH_SMD_3X6X2.5H]  40,236 15 top
S101  3X6X2.5  [TACTILE_SWITCH_SMD_3X6X2.5H]  100,236 345 top
S102  CUS-12TB  [SWITCH-SPST-SMD-A]  70,175.1 180 bottom
S103  3X6X2.5  [TACTILE_SWITCH_SMD_3X6X2.5H]  82,176.25 180 bottom
S104  3X6X2.5  [TACTILE_SWITCH_SMD_3X6X2.5H]  58,176.25 180 bottom
S105  AYZ0202AGRLC  [AYZ-JS-COMBINED]  110.5,227.5 90 bottom
S106  SKPMAPE010  [SKPMAPE010-COMBINED]  227,221.5 0 top
S107  SKPMAPE010  [SKPMAPE010-COMBINED]  227,209 0 top
S108  SKPMAPE010  [SKPMAPE010-COMBINED]  227,196.5 0 top
S109  SKPMAPE010  [SKPMAPE010-COMBINED]  227,184 0 top
S110  SKPMAPE010  [SKPMAPE010-COMBINED]  239.5,221.5 0 top
S111  SKPMAPE010  [SKPMAPE010-COMBINED]  239.5,209 0 top
S112  SKPMAPE010  [SKPMAPE010-COMBINED]  239.5,196.5 0 top
S113  SKPMAPE010  [SKPMAPE010-COMBINED]  239.5,184 0 top
S114  SKPMAPE010  [SKPMAPE010-COMBINED]  252,221.5 0 top
S115  SKPMAPE010  [SKPMAPE010-COMBINED]  252,209 0 top
S116  SKPMAPE010  [SKPMAPE010-COMBINED]  252,196.5 180 top
S117  SKPMAPE010  [SKPMAPE010-COMBINED]  252,184 0 top
S118  SKPMAPE010  [SKPMAPE010-COMBINED]  169.8,216 45 top
S119  SKPMAPE010  [SKPMAPE010-COMBINED]  149.8,216 135 top
S120  SKPMAPE010  [SKPMAPE010-COMBINED]  159.8,221 180 top
S121  3X6X2.5  [TACTILE_SWITCH_SMD_3X6X2.5H]  169,236 15 top
S122  3X6X2.5  [TACTILE_SWITCH_SMD_3X6X2.5H]  229,236 345 top
S123  CUS-12TB  [SWITCH-SPST-SMD-A]  199,175.1 180 bottom
S124  3X6X2.5  [TACTILE_SWITCH_SMD_3X6X2.5H]  211,176.25 180 bottom
S125  3X6X2.5  [TACTILE_SWITCH_SMD_3X6X2.5H]  187,176.25 180 bottom
S126  AYZ0202AGRLC  [AYZ-JS-COMBINED]  239.5,227.5 90 bottom
S127  SKPMAPE010  [SKPMAPE010-COMBINED]  98,302.5 0 top
S128  SKPMAPE010  [SKPMAPE010-COMBINED]  98,290 0 top
S129  SKPMAPE010  [SKPMAPE010-COMBINED]  98,277.5 0 top
S130  SKPMAPE010  [SKPMAPE010-COMBINED]  98,265 0 top
S131  SKPMAPE010  [SKPMAPE010-COMBINED]  110.5,302.5 0 top
S132  SKPMAPE010  [SKPMAPE010-COMBINED]  110.5,290 0 top
S133  SKPMAPE010  [SKPMAPE010-COMBINED]  110.5,277.5 0 top
S134  SKPMAPE010  [SKPMAPE010-COMBINED]  110.5,265 0 top
S135  SKPMAPE010  [SKPMAPE010-COMBINED]  123,302.5 0 top
S136  SKPMAPE010  [SKPMAPE010-COMBINED]  123,290 0 top
S137  SKPMAPE010  [SKPMAPE010-COMBINED]  123,277.5 180 top
S138  SKPMAPE010  [SKPMAPE010-COMBINED]  123,265 0 top
S139  SKPMAPE010  [SKPMAPE010-COMBINED]  40.8,297 45 top
S140  SKPMAPE010  [SKPMAPE010-COMBINED]  20.8,297 135 top
S141  SKPMAPE010  [SKPMAPE010-COMBINED]  30.8,302 180 top
S142  3X6X2.5  [TACTILE_SWITCH_SMD_3X6X2.5H]  40,317 15 top
S143  3X6X2.5  [TACTILE_SWITCH_SMD_3X6X2.5H]  100,317 345 top
S144  CUS-12TB  [SWITCH-SPST-SMD-A]  70,256.1 180 bottom
S145  3X6X2.5  [TACTILE_SWITCH_SMD_3X6X2.5H]  82,257.25 180 bottom
S146  3X6X2.5  [TACTILE_SWITCH_SMD_3X6X2.5H]  58,257.25 180 bottom
S147  AYZ0202AGRLC  [AYZ-JS-COMBINED]  110.5,308.5 90 bottom
S148  SKPMAPE010  [SKPMAPE010-COMBINED]  227,302.5 0 top
S149  SKPMAPE010  [SKPMAPE010-COMBINED]  227,290 0 top
S150  SKPMAPE010  [SKPMAPE010-COMBINED]  227,277.5 0 top
S151  SKPMAPE010  [SKPMAPE010-COMBINED]  227,265 0 top
S152  SKPMAPE010  [SKPMAPE010-COMBINED]  239.5,302.5 0 top
S153  SKPMAPE010  [SKPMAPE010-COMBINED]  239.5,290 0 top
S154  SKPMAPE010  [SKPMAPE010-COMBINED]  239.5,277.5 0 top
S155  SKPMAPE010  [SKPMAPE010-COMBINED]  239.5,265 0 top
S156  SKPMAPE010  [SKPMAPE010-COMBINED]  252,302.5 0 top